# Altium PCB GN-1866-A-V2.PCBDOC (part 1 of 5) (continued)
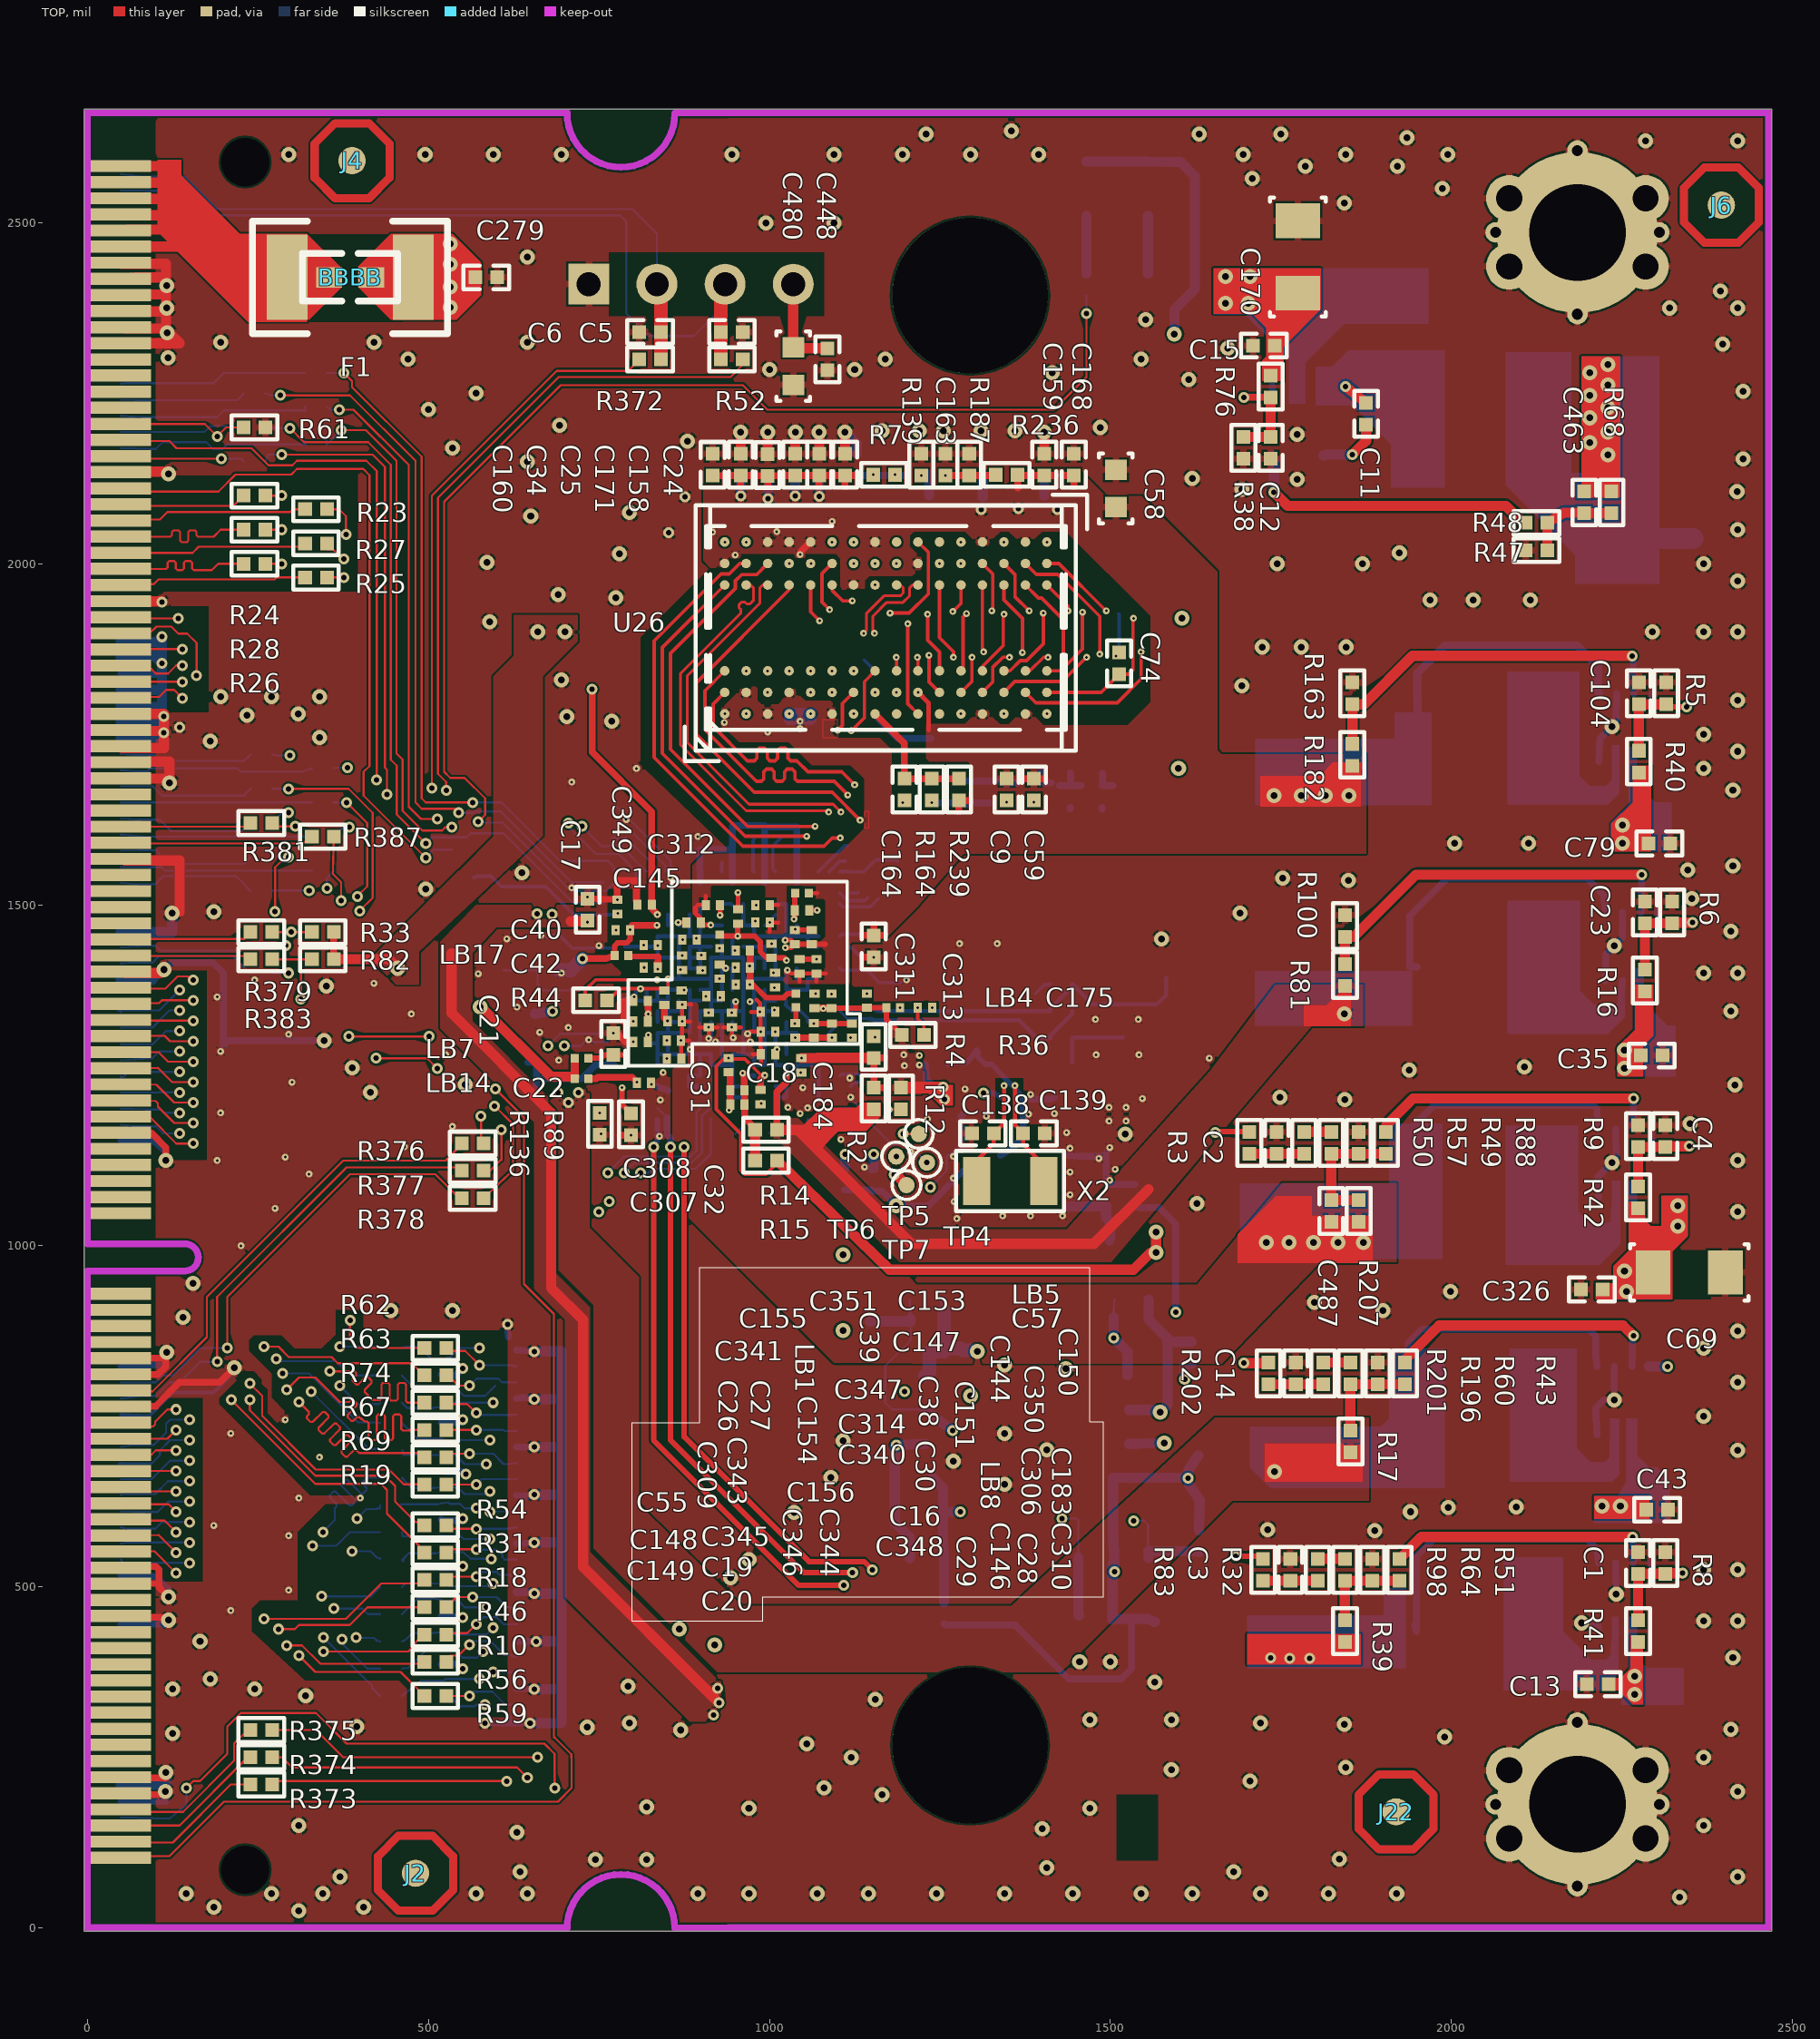
[diagram p0: TOP view]
## Components (designator, comment, footprint, x,y, rotation, side; value= is the part's Value field where it differs from the comment) (continued)
DDR_VDD "PADA" PADA 1710,1662 r180 bottom
F1 "1812" 1812 385,2420 r0 top
J1 "DDR3SODI_MBH2S6" DDR3SODI_MBH2S6 49,91 r90 bottom
J2 "ID-BOARD" ID-BOARD 481,80 r0 top
J3 "ID-BOARD" ID-BOARD 481,80 r180 bottom
J4 "ID-BOARD" ID-BOARD 388,2591 r0 top
J5 "ID-BOARD" ID-BOARD 388,2591 r180 bottom
J6 "ID-BOARD" ID-BOARD 2396,2526 r0 top
J7 "ID-BOARD" ID-BOARD 2396,2526 r180 bottom
J8 "GOSPELL_M" GOSPELL_M 906,874 r180 bottom
J15 "4PIN-254" 4PIN-254 735,2410 r0 bottom
J21 "ID-BOARD" ID-BOARD 1919,170 r180 bottom
J22 "ID-BOARD" ID-BOARD 1919,170 r0 top
L1 "MPI5040" MPI5040 2035,2210 r0 bottom
L3 "MPI5040" MPI5040 2032,753 r0 bottom
L4 "MPI5040" MPI5040 2034,1081 r180 bottom
L5 "MPI5040" MPI5040 2035,1750 r0 bottom
L6 "MPI5040" MPI5040 2034,1409 r0 bottom
L7 "MPI5040" MPI5040 2031,444 r0 bottom
LB1 "HSL0201-TB" HSL0201-TB 927,1446 r90 top
LB4 "HSL0201-TB" HSL0201-TB 1181.38,1349.03 r180 top
LB5 "HSL0201-TB" HSL0201-TB 1048,1517 r0 top
LB7 "HSL0201-TB" HSL0201-TB 724.38,1275.03 r0 top
LB8 "HSL0201-TB" HSL0201-TB 1039,1360 r90 top
LB14 "HSL0201-TB" HSL0201-TB 724.38,1245.03 r180 top
LB17 "HSL0201-TB" HSL0201-TB 782.8,1425.5 r180 top
LED1 "SD0805-LED" SD0805-LED 1465,2550 r270 bottom
LED3 "SD0805-LED" SD0805-LED 1555,2550 r270 bottom
M1 "HOLE160-8STARAN" HOLE160-8STARAN 2185,2486 r0 bottom
M2 "HOLE160-8STARAN" HOLE160-8STARAN 2185,181 r0 bottom
M5 "VIAAAA" VIAAAA 1294.21,267.3 r0 bottom
M6 "VIAAAA" VIAAAA 1294.21,2393.28 r0 bottom
MEDIA_CORE "PADA" PADA 1848,978 r180 bottom
MIPI1 "FPC803A045" FPC803A045 574,587 r90 bottom
R1 "SR0402" SR0402 1555,2410 r90 bottom
R2 "SR0402" SR0402 1153,1216 r270 top
R3 "SR0402" SR0402 1704,1151 r270 top
R4 "SR0402" SR0402 1153,1291.5 r90 top
R5 "SR0402" SR0402 2315,1810 r90 top
R6 "SR0402" SR0402 2324,1489 r90 top
R7 "SR0402" SR0402 1168,2130.5 r0 top
R8 "SR0402" SR0402 2314,535 r90 top
R9 "SR0402" SR0402 2274,1161 r90 top
R10 "SR0402" SR0402 510,430 r180 top
R11 "SR0402" SR0402 445,500 r180 bottom
R12 "SR0402" SR0402 1193,1216 r270 top
R13 "SR0402" SR0402 550,1540 r0 bottom
R14 "SR0402" SR0402 995,1170 r0 top
R15 "SR0402" SR0402 995,1125 r0 top
R16 "SR0402" SR0402 2284,1389 r270 top
R17 "SR0402" SR0402 1852,713 r90 top
R18 "SR0402" SR0402 510,510 r180 top
R19 "SR0402" SR0402 510,650 r180 top
R20 "SR0402" SR0402 1428,1304 r180 bottom
R21 "SR0402" SR0402 1619,843 r90 bottom
R22 "SR0402" SR0402 550,1580.79 r180 bottom
R23 "SR0402" SR0402 335,2080 r180 top
R24 "SR0402" SR0402 245,2100 r180 top
R25 "SR0402" SR0402 335,1980 r180 top
R26 "SR0402" SR0402 245,2000 r180 top
R27 "SR0402" SR0402 335,2030 r180 top
R28 "SR0402" SR0402 245,2050 r180 top
R29 "SR0402" SR0402 245,2150 r180 bottom
R30 "SR0402" SR0402 445,660 r180 bottom
R31 "SR0402" SR0402 510,550 r180 top
R32 "SR0402" SR0402 1804,525 r270 top
R33 "SR0402" SR0402 345,1460 r0 top
R34 "SR0402" SR0402 445,540 r180 bottom
R35 "SR0402" SR0402 445,620 r180 bottom
R36 "SR0402" SR0402 1210.5,1309 r180 top
R37 "SR0402" SR0402 1428,1344 r180 bottom
R38 "SR0402" SR0402 1695,2170 r90 top
R39 "SR0402" SR0402 1844,435 r270 top
R40 "SR0402" SR0402 2275,1710 r270 top
R41 "SR0402" SR0402 2274,435 r270 top
R42 "SR0402" SR0402 2274,1071 r270 top
R43 "SR0402" SR0402 1932,813 r90 top
R44 "SR0402" SR0402 746,1360 r0 top
R45 "SR0402" SR0402 445,460 r180 bottom
R46 "SR0402" SR0402 510,470 r180 top
R47 "SR0402" SR0402 2125,2020 r0 top
R48 "SR0402" SR0402 2125,2060 r180 top
R49 "SR0402" SR0402 1864,1151 r270 top
R50 "SR0402" SR0402 1784,1151 r90 top
R51 "SR0402" SR0402 1924,525 r270 top
R52 "SR0402" SR0402 945,2300 r0 top
R53 "SR0402" SR0402 445,580 r180 bottom
R54 "SR0402" SR0402 510,590 r180 top
R55 "SR0402" SR0402 445,380 r180 bottom
R56 "SR0402" SR0402 510,390 r180 top
R57 "SR0402" SR0402 1824,1151 r270 top
R58 "SR0402" SR0402 445,420 r180 bottom
R59 "SR0402" SR0402 510,340 r180 top
R60 "SR0402" SR0402 1892,813 r270 top
R61 "SR0402" SR0402 245,2200 r180 top
R62 "SR0402" SR0402 510,850 r180 top
R63 "SR0402" SR0402 510,810 r180 top
R64 "SR0402" SR0402 1884,525 r270 top
R65 "SR0402" SR0402 445,810 r180 bottom
R66 "SR0402" SR0402 445,740 r180 bottom
R67 "SR0402" SR0402 510,730 r180 top
R68 "SR0402" SR0402 2235,2090 r90 top
R69 "SR0402" SR0402 510,690 r180 top
R70 "SR0402" SR0402 445,700 r180 bottom
R71 "SR0402" SR0402 445,340 r180 bottom
R72 "SR0402" SR0402 445,850 r180 bottom
R73 "SR0402" SR0402 1256,462 r90 bottom
R74 "SR0402" SR0402 510,770 r180 top
R75 "SR0402" SR0402 445,770 r180 bottom
R76 "SR0402" SR0402 1735,2260 r90 top
R77 "SR0402" SR0402 1434,1218 r180 bottom
R78 "SR0402" SR0402 1356,1218 r0 bottom
R79 "SR0402" SR0402 1245,1266 r180 bottom
R80 "SR0402" SR0402 1536,1074 r270 bottom
R81 "SR0402" SR0402 1844,1397 r270 top
R82 "SR0402" SR0402 345,1420 r0 top
R83 "SR0402" SR0402 1724,525 r270 top
R84 "SR0402" SR0402 1284,1125 r270 bottom
R85 "SR0402" SR0402 1284,1209 r270 bottom
R86 "SR0402" SR0402 1494,1074 r90 bottom
R87 "SR0402" SR0402 1465,2410 r270 bottom
R88 "SR0402" SR0402 1904,1151 r90 top
R89 "SR0402" SR0402 797,1178 r90 top
R90 "SR0402" SR0402 675,1404 r180 bottom
R91 "SR0402" SR0402 594,1404 r180 bottom
R98 "SR0402" SR0402 1844,525 r270 top
R100 "SR0402" SR0402 1844,1469 r270 top
R108 "SR0402" SR0402 1165,2145.5 r90 bottom
R127 "SR0402" SR0402 1630,567 r90 bottom
R136 "SR0402" SR0402 751.38,1179.03 r90 top
R139 "SR0402" SR0402 1223,2145.5 r90 top
R140 "SR0402" SR0402 1248,1665.5 r270 bottom
R163 "SR0402" SR0402 1855,1810 r270 top
R164 "SR0402" SR0402 1238,1669 r270 top
R182 "SR0402" SR0402 1855,1720 r90 top
R183 "SR0402" SR0402 1323,1665.5 r270 bottom
R184 "SR0402" SR0402 1218,2130.5 r180 bottom
R187 "SR0402" SR0402 1293,2145.5 r90 top
R196 "SR0402" SR0402 1852,813 r270 top
R201 "SR0402" SR0402 1812,813 r90 top
R202 "SR0402" SR0402 1732,813 r270 top
R207 "SR0402" SR0402 1864,1051 r270 top
R213 "SR0402" SR0402 640,1340 r0 bottom
R216 "SR0402" SR0402 1148,905 r90 bottom
R236 "SR0402" SR0402 1348,2130.5 r180 top
R239 "SR0402" SR0402 1278,1669 r90 top
R241 "SR0603" SR0603 645,1452 r0 bottom
R243 "SR0402" SR0402 1381.38,1679.03 r180 bottom
R245 "SR0402" SR0402 1110,1098 r270 bottom
R261 "SR0402" SR0402 1209,1386 r180 bottom
R265 "SR0402" SR0402 1150,1098 r270 bottom
R372 "SR0402" SR0402 825,2300 r180 top
R373 "SR0402" SR0402 255,210 r0 top
R374 "SR0402" SR0402 255,250 r0 top
R375 "SR0402" SR0402 255,290 r0 top
R376 "SR0402" SR0402 565,1150 r180 top
R377 "SR0402" SR0402 565,1110 r180 top
R378 "SR0402" SR0402 565,1070 r180 top
R379 "SR0402" SR0402 255,1460 r0 top
R380 "SR0402" SR0402 255,1440 r0 bottom
R381 "SR0402" SR0402 255,1620 r0 top
R382 "SR0402" SR0402 345,1600 r0 bottom
R383 "SR0402" SR0402 255,1420 r0 top
R384 "SR0402" SR0402 255,1400 r0 bottom
R385 "SR0402" SR0402 255,1520 r0 bottom
R386 "SR0402" SR0402 345,1550 r0 bottom
R387 "SR0402" SR0402 345,1600 r0 top
R388 "SR0402" SR0402 255,1570 r0 bottom
R389 "SR0402" SR0402 255,1620 r0 bottom
R390 "SR0402" SR0402 345,1650 r0 bottom
R391 "SR0402" SR0402 255,1670 r0 bottom
R392 "SR0402" SR0402 345,1700 r0 bottom
R393 "SR0402" SR0402 255,1720 r0 bottom
R394 "SR0402" SR0402 335,2180 r0 bottom
R395 "SR0402" SR0402 245,2200 r0 bottom
R396 "SR0402" SR0402 335,2230 r0 bottom
R397 "SR0402" SR0402 245,2250 r0 bottom
R398 "SR0402" SR0402 335,2280 r0 bottom
TP1 "TP24-SMD" TP24-SMD 535,1495 r180 bottom
TP2 "TP24-SMD" TP24-SMD 535,1450 r180 bottom
TP3 "TP24-SMD" TP24-SMD 500,1475 r180 bottom
TP4 "TP24-SMD" TP24-SMD 1231,1122 r0 top
TP5 "TP24-SMD" TP24-SMD 1219,1164 r0 top
TP6 "TP24-SMD" TP24-SMD 1186,1131 r0 top
TP7 "TP24-SMD" TP24-SMD 1201,1089 r0 top
U1 "TSOT23-8" TSOT23-8 2254,485 r180 bottom
U2 "TSOT23-8" TSOT23-8 2252,773 r180 bottom
U3 "HBGA524-16-2424" HBGA524-16-2424 937.98,1367.49 r90 bottom
U6 "SOT23-6" SOT23-6 1775,2210 r180 bottom
U17 "TSOT23-8" TSOT23-8 2254,1121 r180 bottom
U18 "WSON8-50-0806L" WSON8-50-0806L 1378,735 r90 bottom
U19 "BGA96-32-1609G" BGA96-32-1609G 1170.68,1905.97 r0 bottom
U20 "SOP16-50-300A" SOP16-50-300A 1381,732 r0 bottom
U21 "TSOT23-8" TSOT23-8 2264,1439 r180 bottom
U22 "TSOT23-8" TSOT23-8 2255,1760 r180 bottom
U26 "BGA96-32-1609G" BGA96-32-1609G 1170.68,1905.97 r0 top
U27 "SOT143" SOT143 1389,1095 r90 bottom
X1 "HSX4-0302" HSX4-0302 1550.1,1349.1 r270 bottom
X2 "HSX2-0302" HSX2-0302 1353,1095 r0 top

## Footprints (in the part's own frame and the unit in brackets; to place one, negate y for a bottom-side part, rotate by r counter-clockwise, add the part's x,y. Pads: shape width x height; smd on the part's side, far side on the other; paste and mask are expansions set on the pad)
4PIN-254 [mil]
  rect 60x60 hole 35: 1(0,0)
  round 60 hole 35: 2(100,0) 3(200,0) 4(300,0)
  silkscreen extent -100,-100 400,100
0603 [mil]
  rect 38x30 smd: 1(-31,0) 2(31,0)
  silkscreen extent -70,-35 70,35
1210 [mil]
  rect 60x100 smd: 1(-67.5,0) 2(67.5,0)
  silkscreen extent -118,-70 118,70
1812 [mil]
  rect 60x125 smd: 1(-92.5,0) 2(92.5,0)
  silkscreen extent -143,-82 143,82
6032 [mil]
  rect 120x90 smd: 1(120,0) 2(-120,0)
  silkscreen extent -200,-65 200,65
BGA96-32-1609G [mil]
  round 14 smd: A1(-236.22,-125.98) A2(-236.22,-94.49) A3(-236.22,-62.99) A7(-236.22,62.99) A8(-236.22,94.49) A9(-236.22,125.98) B1(-204.72,-125.98) B2(-204.72,-94.49) B3(-204.72,-62.99) B7(-204.72,62.99) B8(-204.72,94.49) B9(-204.72,125.98) C1(-173.23,-125.98) C2(-173.23,-94.49) C3(-173.23,-62.99) C7(-173.23,62.99) C8(-173.23,94.49) C9(-173.23,125.98) D1(-141.73,-125.98) D2(-141.73,-94.49) D3(-141.73,-62.99) D7(-141.73,62.99) D8(-141.73,94.49) D9(-141.73,125.98) E1(-110.24,-125.98) E2(-110.24,-94.49) E3(-110.24,-62.99) E7(-110.24,62.99) E8(-110.24,94.49) E9(-110.24,125.98) F1(-78.74,-125.98) F2(-78.74,-94.49) F3(-78.74,-62.99) F7(-78.74,62.99) F8(-78.74,94.49) F9(-78.74,125.98) G1(-47.24,-125.98) G2(-47.24,-94.49) G3(-47.24,-62.99) G7(-47.24,62.99) G8(-47.24,94.49) G9(-47.24,125.98) H1(-15.75,-125.98) H2(-15.75,-94.49) H3(-15.75,-62.99) H7(-15.75,62.99) H8(-15.75,94.49) H9(-15.75,125.98) J1(15.75,-125.98) J2(15.75,-94.49) J3(15.75,-62.99) J7(15.75,62.99) J8(15.75,94.49) J9(15.75,125.98) K1(47.24,-125.98) K2(47.24,-94.49) K3(47.24,-62.99) K7(47.24,62.99) K8(47.24,94.49) K9(47.24,125.98) L1(78.74,-125.98) L2(78.74,-94.49) L3(78.74,-62.99) L7(78.74,62.99) L8(78.74,94.49) L9(78.74,125.98) M1(110.24,-125.98) M2(110.24,-94.49) M3(110.24,-62.99) M7(110.24,62.99) M8(110.24,94.49) M9(110.24,125.98) N1(141.73,-125.98) N2(141.73,-94.49) N3(141.73,-62.99) N7(141.73,62.99) N8(141.73,94.49) N9(141.73,125.98) P1(173.23,-125.98) P2(173.23,-94.49) P3(173.23,-62.99) P7(173.23,62.99) P8(173.23,94.49) P9(173.23,125.98) R1(204.72,-125.98) R2(204.72,-94.49) R3(204.72,-62.99) R7(204.72,62.99) R8(204.72,94.49) R9(204.72,125.98) T1(236.22,-125.98) T2(236.22,-94.49) T3(236.22,-62.99) T7(236.22,62.99) T8(236.22,94.49) T9(236.22,125.98)
  silkscreen extent -295,-195 295,195
DDR3SODI_MBH2S6 [mm]
  rect 0.45x2.25 smd: 1(0,0) 3(0.6,0) 5(1.2,0) 7(1.8,0) 9(2.4,0) 11(3,0) 13(3.6,0) 15(4.2,0) 17(4.8,0) 19(5.4,0) 21(6,0) 23(6.6,0) 25(7.2,0) 27(7.8,0) 29(8.4,0) 31(9,0) 33(9.6,0) 35(10.2,0) 37(10.8,0) 39(11.4,0) 41(12,0) 43(12.6,0) 45(13.2,0) 47(13.8,0) 49(14.4,0) 51(15,0) 53(15.6,0) 55(16.2,0) 57(16.8,0) 59(17.4,0) 61(18,0) 63(18.6,0) 65(19.2,0) 67(19.8,0) 69(20.4,0) 71(21,0) 73(24,0) 75(24.6,0) 77(25.2,0) 79(25.8,0) 81(26.4,0) 83(27,0) 85(27.6,0) 87(28.2,0) 89(28.8,0) 91(29.4,0) 93(30,0) 95(30.6,0) 97(31.2,0) 99(31.8,0) 101(32.4,0) 103(33,0) 105(33.6,0) 107(34.2,0) 109(34.8,0) 111(35.4,0) 113(36,0) 115(36.6,0) 117(37.2,0) 119(37.8,0) 121(38.4,0) 123(39,0) 125(39.6,0) 127(40.2,0) 129(40.8,0) 131(41.4,0) 133(42,0) 135(42.6,0) 137(43.2,0) 139(43.8,0) 141(44.4,0) 143(45,0) 145(45.6,0) 147(46.2,0) 149(46.8,0) 151(47.4,0) 153(48,0) 155(48.6,0) 157(49.2,0) 159(49.8,0) 161(50.4,0) 163(51,0) 165(51.6,0) 167(52.2,0) 169(52.8,0) 171(53.4,0) 173(54,0) 175(54.6,0) 177(55.2,0) 179(55.8,0) 181(56.4,0) 183(57,0) 185(57.6,0) 187(58.2,0) 189(58.8,0) 191(59.4,0) 193(60,0) 195(60.6,0) 197(61.2,0) 199(61.8,0) 201(62.4,0) 203(63,0)
  rect 0.45x2.25 smd far side: 2(0.3,0) 4(0.9,0) 6(1.5,0) 8(2.1,0) 10(2.7,0) 12(3.3,0) 14(3.9,0) 16(4.5,0) 18(5.1,0) 20(5.7,0) 22(6.3,0) 24(6.9,0) 26(7.5,0) 28(8.1,0) 30(8.7,0) 32(9.3,0) 34(9.9,0) 36(10.5,0) 38(11.1,0) 40(11.7,0) 42(12.3,0) 44(12.9,0) 46(13.5,0) 48(14.1,0) 50(14.7,0) 52(15.3,0) 54(15.9,0) 56(16.5,0) 58(17.1,0) 60(17.7,0) 62(18.3,0) 64(18.9,0) 66(19.5,0) 68(20.1,0) 70(20.7,0) 72(21.3,0) 74(24.3,0) 76(24.9,0) 78(25.5,0) 80(26.1,0) 82(26.7,0) 84(27.3,0) 86(27.9,0) 88(28.5,0) 90(29.1,0) 92(29.7,0) 94(30.3,0) 96(30.9,0) 98(31.5,0) 100(32.1,0) 102(32.7,0) 104(33.3,0) 106(33.9,0) 108(34.5,0) 110(35.1,0) 112(35.7,0) 114(36.3,0) 116(36.9,0) 118(37.5,0) 120(38.1,0) 122(38.7,0) 124(39.3,0) 126(39.9,0) 128(40.5,0) 130(41.1,0) 132(41.7,0) 134(42.3,0) 136(42.9,0) 138(43.5,0) 140(44.1,0) 142(44.7,0) 144(45.3,0) 146(45.9,0) 148(46.5,0) 150(47.1,0) 152(47.7,0) 154(48.3,0) 156(48.9,0) 158(49.5,0) 160(50.1,0) 162(50.7,0) 164(51.3,0) 166(51.9,0) 168(52.5,0) 170(53.1,0) 172(53.7,0) 174(54.3,0) 176(54.9,0) 178(55.5,0) 180(56.1,0) 182(56.7,0) 184(57.3,0) 186(57.9,0) 188(58.5,0) 190(59.1,0) 192(59.7,0) 194(60.3,0) 196(60.9,0) 198(61.5,0) 200(62.1,0) 202(62.7,0) 204(63.3,0)
  round 0 hole 1.8 unplated: 205(-0.15,4.628) 206(63.45,4.628)
  rect 3x7 smd: 207(-0.6,24.5) 208(63.6,24.5)
  silkscreen extent -2.31,-1.37 65.3,30.05
ESD_MINI [mil]
  silkscreen extent -148,-108 128,167
FPC803A045 [mm]
  rect 0.3x0.8 smd: 1(-6.6,1.4) 2(-6.3,-1.4) 3(-6,1.4) 4(-5.7,-1.4) 5(-5.4,1.4) 6(-5.1,-1.4) 7(-4.8,1.4) 8(-4.5,-1.4) 9(-4.2,1.4) 10(-3.9,-1.4) 11(-3.6,1.4) 12(-3.3,-1.4) 13(-3,1.4) 14(-2.7,-1.4) 15(-2.4,1.4) 16(-2.1,-1.4) 17(-1.8,1.4) 18(-1.5,-1.4) 19(-1.2,1.4) 20(-0.9,-1.4) 21(-0.6,1.4) 22(-0.3,-1.4) 23(0,1.4) 24(0.3,-1.4) 25(0.6,1.4) 26(0.9,-1.4) 27(1.2,1.4) 28(1.5,-1.4) 29(1.8,1.4) 30(2.1,-1.4) 31(2.4,1.4) 32(2.7,-1.4) 33(3,1.4) 34(3.3,-1.4) 35(3.6,1.4) 36(3.9,-1.4) 37(4.2,1.4) 38(4.5,-1.4) 39(4.8,1.4) 40(5.1,-1.4) 41(5.4,1.4) 42(5.7,-1.4) 43(6,1.4) 44(6.3,-1.4) 45(6.6,1.4)
  rect 0.4x0.95 smd: 46(-7.1,1.1) 47(7.1,1.1)
  silkscreen extent -7.5,-2.67 7.5,1.93
GOSPELL_M [mil]
  silkscreen extent -97,-103 103,90
HBGA524-16-2424 [mil]
  round 10 smd: A1(181.1,181.1) A2(181.1,165.35) A3(181.1,149.61) A4(181.1,133.86) A5(181.1,118.11) A7(181.1,86.61) A8(181.1,70.87) A10(181.1,39.37) A11(181.1,23.62) A13(181.1,-7.87) A14(181.1,-23.62) A16(181.1,-55.12) A17(181.1,-70.87) A19(181.1,-102.36) A20(181.1,-118.11) A22(181.1,-149.61) A23(181.1,-165.35) A24(181.1,-181.1) AA1(-133.86,181.1) AA2(-133.86,165.35) AA3(-133.86,149.61) AA4(-133.86,133.86) AA5(-133.86,118.11) AA6(-133.86,102.36) AA7(-133.86,86.61) AA8(-133.86,70.87) AA9(-133.86,55.12) AA10(-133.86,39.37) AA11(-133.86,23.62) AA12(-133.86,7.87) AA13(-133.86,-7.87) AA14(-133.86,-23.62) AA15(-133.86,-39.37) AA16(-133.86,-55.12) AA17(-133.86,-70.87) AA19(-133.86,-102.36) AA20(-133.86,-118.11) AA21(-133.86,-133.86) AA23(-133.86,-165.35) AA24(-133.86,-181.1) AB1(-149.61,181.1) AB2(-149.61,165.35) AB3(-149.61,149.61) AB4(-149.61,133.86) AB5(-149.61,118.11) AB6(-149.61,102.36) AB7(-149.61,86.61) AB8(-149.61,70.87) AB9(-149.61,55.12) AB10(-149.61,39.37) AB11(-149.61,23.62) AB12(-149.61,7.87) AB13(-149.61,-7.87) AB14(-149.61,-23.62) AB15(-149.61,-39.37) AB16(-149.61,-55.12) AB17(-149.61,-70.87) AB19(-149.61,-102.36) AB21(-149.61,-133.86) AB22(-149.61,-149.61) AB23(-149.61,-165.35) AB24(-149.61,-181.1) AC2(-165.35,165.35) AC3(-165.35,149.61) AC4(-165.35,133.86) AC5(-165.35,118.11) AC6(-165.35,102.36) AC7(-165.35,86.61) AC8(-165.35,70.87) AC9(-165.35,55.12) AC10(-165.35,39.37) AC11(-165.35,23.62) AC12(-165.35,7.87) AC13(-165.35,-7.87) AC14(-165.35,-23.62) AC15(-165.35,-39.37) AC16(-165.35,-55.12) AC17(-165.35,-70.87) AC18(-165.35,-86.61) AC19(-165.35,-102.36) AC20(-165.35,-118.11) AC21(-165.35,-133.86) AC22(-165.35,-149.61) AC23(-165.35,-165.35) AC24(-165.35,-181.1) AD1(-181.1,181.1) AD2(-181.1,165.35) AD3(-181.1,149.61) AD4(-181.1,133.86) AD5(-181.1,118.11) AD6(-181.1,102.36) AD7(-181.1,86.61) AD8(-181.1,70.87) AD9(-181.1,55.12) AD10(-181.1,39.37) AD11(-181.1,23.62) AD12(-181.1,7.87) AD13(-181.1,-7.87) AD14(-181.1,-23.62) AD16(-181.1,-55.12) AD17(-181.1,-70.87) AD19(-181.1,-102.36) AD20(-181.1,-118.11) AD22(-181.1,-149.61) AD23(-181.1,-165.35) AD24(-181.1,-181.1) B1(165.35,181.1) B2(165.35,165.35) B3(165.35,149.61) B4(165.35,133.86) B5(165.35,118.11) B6(165.35,102.36) B7(165.35,86.61) B8(165.35,70.87) B9(165.35,55.12) B10(165.35,39.37) B11(165.35,23.62) B12(165.35,7.87) B13(165.35,-7.87) B14(165.35,-23.62) B15(165.35,-39.37) B16(165.35,-55.12) B17(165.35,-70.87) B19(165.35,-102.36) B20(165.35,-118.11) B21(165.35,-133.86) B22(165.35,-149.61) B23(165.35,-165.35) B24(165.35,-181.1) C1(149.61,181.1) C2(149.61,165.35) C3(149.61,149.61) C5(149.61,118.11) C6(149.61,102.36) C7(149.61,86.61) C8(149.61,70.87) C9(149.61,55.12) C10(149.61,39.37) C11(149.61,23.62) C12(149.61,7.87) C13(149.61,-7.87) C14(149.61,-23.62) C15(149.61,-39.37) C16(149.61,-55.12) C17(149.61,-70.87) C18(149.61,-86.61) C19(149.61,-102.36) C20(149.61,-118.11) C21(149.61,-133.86) C22(149.61,-149.61) C23(149.61,-165.35) D2(133.86,165.35) D3(133.86,149.61) D4(133.86,133.86) D6(133.86,102.36) D7(133.86,86.61) D8(133.86,70.87) D9(133.86,55.12) D10(133.86,39.37) D11(133.86,23.62) D13(133.86,-7.87) D14(133.86,-23.62) D15(133.86,-39.37) D17(133.86,-70.87) D19(133.86,-102.36) D22(133.86,-149.61) D23(133.86,-165.35) D24(133.86,-181.1) E1(118.11,181.1) E2(118.11,165.35) E3(118.11,149.61) E4(118.11,133.86) E6(118.11,102.36) E7(118.11,86.61) E8(118.11,70.87) E9(118.11,55.12) E10(118.11,39.37) E11(118.11,23.62) E13(118.11,-7.87) E14(118.11,-23.62) E15(118.11,-39.37) E16(118.11,-55.12) E17(118.11,-70.87) E18(118.11,-86.61) E19(118.11,-102.36) E20(118.11,-118.11) E21(118.11,-133.86) E22(118.11,-149.61) E23(118.11,-165.35) F1(102.36,181.1) F2(102.36,165.35) F3(102.36,149.61) F4(102.36,133.86) F5(102.36,118.11) F6(102.36,102.36) F7(102.36,86.61) F8(102.36,70.87) F9(102.36,55.12) F10(102.36,39.37) F11(102.36,23.62) F13(102.36,-7.87) F14(102.36,-23.62) F15(102.36,-39.37) F16(102.36,-55.12) F17(102.36,-70.87) F18(102.36,-86.61) F19(102.36,-102.36) F20(102.36,-118.11) F21(102.36,-133.86) F22(102.36,-149.61) F23(102.36,-165.35) F24(102.36,-181.1) G2(86.61,165.35) G3(86.61,149.61) G4(86.61,133.86) G5(86.61,118.11) G6(86.61,102.36) G7(86.61,86.61) G8(86.61,70.87) G9(86.61,55.12) G10(86.61,39.37) G11(86.61,23.62) G12(86.61,7.87) G13(86.61,-7.87) G14(86.61,-23.62) G15(86.61,-39.37) G16(86.61,-55.12) G17(86.61,-70.87) G18(86.61,-86.61) G19(86.61,-102.36) G20(86.61,-118.11) G21(86.61,-133.86) G22(86.61,-149.61) G23(86.61,-165.35) G24(86.61,-181.1) H1(70.87,181.1) H2(70.87,165.35) H3(70.87,149.61) H4(70.87,133.86) H5(70.87,118.11) H6(70.87,102.36) H7(70.87,86.61) H8(70.87,70.87) H9(70.87,55.12) H10(70.87,39.37) H11(70.87,23.62) H12(70.87,7.87) H13(70.87,-7.87) H14(70.87,-23.62) H15(70.87,-39.37) H16(70.87,-55.12) H17(70.87,-70.87) H18(70.87,-86.61) H19(70.87,-102.36) H20(70.87,-118.11) H21(70.87,-133.86) H22(70.87,-149.61) H23(70.87,-165.35) J1(55.12,181.1) J2(55.12,165.35) J3(55.12,149.61) J4(55.12,133.86) J5(55.12,118.11) J7(55.12,86.61) J8(55.12,70.87) J9(55.12,55.12) J10(55.12,39.37) J11(55.12,23.62) J12(55.12,7.87) J13(55.12,-7.87) J14(55.12,-23.62) J15(55.12,-39.37) J16(55.12,-55.12) J17(55.12,-70.87) J18(55.12,-86.61) J19(55.12,-102.36) J20(55.12,-118.11) J21(55.12,-133.86) J22(55.12,-149.61) J23(55.12,-165.35) J24(55.12,-181.1) K2(39.37,165.35) K3(39.37,149.61) K4(39.37,133.86) K5(39.37,118.11) K6(39.37,102.36) K7(39.37,86.61) K8(39.37,70.87) K9(39.37,55.12) K10(39.37,39.37) K11(39.37,23.62) K12(39.37,7.87) K13(39.37,-7.87) K14(39.37,-23.62) K15(39.37,-39.37) K16(39.37,-55.12) K17(39.37,-70.87) K18(39.37,-86.61) K19(39.37,-102.36) K20(39.37,-118.11) K21(39.37,-133.86) K22(39.37,-149.61) K23(39.37,-165.35) K24(39.37,-181.1) L1(23.62,181.1) L2(23.62,165.35) L3(23.62,149.61) L4(23.62,133.86) L5(23.62,118.11) L6(23.62,102.36) L7(23.62,86.61) L8(23.62,70.87) L9(23.62,55.12) L10(23.62,39.37) L11(23.62,23.62) L12(23.62,7.87) L13(23.62,-7.87) L14(23.62,-23.62) L15(23.62,-39.37) L16(23.62,-55.12) L17(23.62,-70.87) L18(23.62,-86.61) L19(23.62,-102.36) L20(23.62,-118.11) L21(23.62,-133.86) L22(23.62,-149.61) L23(23.62,-165.35) M2(7.87,165.35) M3(7.87,149.61) M4(7.87,133.86) M5(7.87,118.11) M6(7.87,102.36) M7(7.87,86.61) M8(7.87,70.87) M9(7.87,55.12) M10(7.87,39.37) M11(7.87,23.62) M12(7.87,7.87) M13(7.87,-7.87) M14(7.87,-23.62) M15(7.87,-39.37) M16(7.87,-55.12) M17(7.87,-70.87) M18(7.87,-86.61) M19(7.87,-102.36) M20(7.87,-118.11) M21(7.87,-133.86) M22(7.87,-149.61) M23(7.87,-165.35) M24(7.87,-181.1) N1(-7.87,181.1) N2(-7.87,165.35) N3(-7.87,149.61) N4(-7.87,133.86) N5(-7.87,118.11) N6(-7.87,102.36) N7(-7.87,86.61) N8(-7.87,70.87) N9(-7.87,55.12) N10(-7.87,39.37) N11(-7.87,23.62) N12(-7.87,7.87) N13(-7.87,-7.87) N14(-7.87,-23.62) N15(-7.87,-39.37) N16(-7.87,-55.12) N17(-7.87,-70.87) N18(-7.87,-86.61) N19(-7.87,-102.36) N20(-7.87,-118.11) N21(-7.87,-133.86) N22(-7.87,-149.61) N23(-7.87,-165.35) N24(-7.87,-181.1) P1(-23.62,181.1) P2(-23.62,165.35) P3(-23.62,149.61) P4(-23.62,133.86) P8(-23.62,70.87) P9(-23.62,55.12) P10(-23.62,39.37) P11(-23.62,23.62) P12(-23.62,7.87) P13(-23.62,-7.87) P14(-23.62,-23.62) P15(-23.62,-39.37) P16(-23.62,-55.12) P17(-23.62,-70.87) P18(-23.62,-86.61) P19(-23.62,-102.36) P20(-23.62,-118.11) P21(-23.62,-133.86) P22(-23.62,-149.61) P23(-23.62,-165.35) R2(-39.37,165.35) R3(-39.37,149.61) R4(-39.37,133.86) R5(-39.37,118.11) R6(-39.37,102.36) R7(-39.37,86.61) R8(-39.37,70.87) R9(-39.37,55.12) R10(-39.37,39.37) R11(-39.37,23.62) R12(-39.37,7.87) R13(-39.37,-7.87) R14(-39.37,-23.62) R15(-39.37,-39.37) R16(-39.37,-55.12) R17(-39.37,-70.87) R18(-39.37,-86.61) R19(-39.37,-102.36) R20(-39.37,-118.11) R21(-39.37,-133.86) R22(-39.37,-149.61) R23(-39.37,-165.35) R24(-39.37,-181.1) T1(-55.12,181.1) T2(-55.12,165.35) T3(-55.12,149.61) T4(-55.12,133.86) T5(-55.12,118.11) T6(-55.12,102.36) T7(-55.12,86.61) T8(-55.12,70.87) T9(-55.12,55.12) T10(-55.12,39.37) T11(-55.12,23.62) T12(-55.12,7.87) T13(-55.12,-7.87) T14(-55.12,-23.62) T15(-55.12,-39.37) T16(-55.12,-55.12) T17(-55.12,-70.87) T18(-55.12,-86.61) T19(-55.12,-102.36) T20(-55.12,-118.11) T22(-55.12,-149.61) T23(-55.12,-165.35) T24(-55.12,-181.1) U2(-70.87,165.35) U3(-70.87,149.61) U4(-70.87,133.86) U5(-70.87,118.11) U6(-70.87,102.36) U7(-70.87,86.61) U8(-70.87,70.87) U9(-70.87,55.12) U10(-70.87,39.37) U11(-70.87,23.62) U12(-70.87,7.87) U13(-70.87,-7.87) U14(-70.87,-23.62) U15(-70.87,-39.37) U16(-70.87,-55.12) U17(-70.87,-70.87) U18(-70.87,-86.61) U19(-70.87,-102.36) U20(-70.87,-118.11) U21(-70.87,-133.86) U22(-70.87,-149.61) V1(-86.61,181.1) V4(-86.61,133.86) V5(-86.61,118.11) V6(-86.61,102.36) V7(-86.61,86.61) V8(-86.61,70.87) V9(-86.61,55.12) V10(-86.61,39.37) V11(-86.61,23.62) V12(-86.61,7.87) V13(-86.61,-7.87) V14(-86.61,-23.62) V15(-86.61,-39.37) V16(-86.61,-55.12) V17(-86.61,-70.87) V18(-86.61,-86.61) V19(-86.61,-102.36) V20(-86.61,-118.11) V22(-86.61,-149.61) V23(-86.61,-165.35) V24(-86.61,-181.1) W1(-102.36,181.1) W2(-102.36,165.35) W3(-102.36,149.61) W4(-102.36,133.86) W5(-102.36,118.11) W6(-102.36,102.36) W7(-102.36,86.61) W8(-102.36,70.87) W9(-102.36,55.12) W10(-102.36,39.37) W12(-102.36,7.87) W13(-102.36,-7.87) W14(-102.36,-23.62) W15(-102.36,-39.37) W16(-102.36,-55.12) W17(-102.36,-70.87) W18(-102.36,-86.61) W19(-102.36,-102.36) W20(-102.36,-118.11) W21(-102.36,-133.86) W23(-102.36,-165.35) Y2(-118.11,165.35) Y3(-118.11,149.61) Y4(-118.11,133.86) Y5(-118.11,118.11) Y6(-118.11,102.36) Y7(-118.11,86.61) Y9(-118.11,55.12) Y10(-118.11,39.37) Y11(-118.11,23.62) Y12(-118.11,7.87) Y13(-118.11,-7.87) Y14(-118.11,-23.62) Y15(-118.11,-39.37) Y16(-118.11,-55.12) Y17(-118.11,-70.87) Y18(-118.11,-86.61) Y19(-118.11,-102.36) Y21(-118.11,-133.86) Y22(-118.11,-149.61) Y23(-118.11,-165.35) Y24(-118.11,-181.1)
  silkscreen extent -199,-199 199,199
HOLE160-8STARAN [mil]
  round 30 hole 16: 1(120,0) 3(0,120) 5(-120,0) 7(0,-120)
  round 68 hole 38: 2(100,50) 4(-100,50) 6(-100,-50) 8(100,-50)
  round 236.22 hole 141.73: 9(0,0)
  silkscreen extent -148,-101 146,93
HSC0201 [mil]
  rect 12x15 smd: 1(-10.5,0) 2(10.5,0)
HSC0402 [mil]
  rect 20x20 smd: 1(16,0) 2(-16,0)
  silkscreen extent -34,-18 34,18
HSL0201-TB [mil]
  rect 12x13 smd: 1(-10,0) 2(10,0)
HSX2-0302 [mil]
  rect 40x70 smd: 1(-49.21,0) 2(49.21,0)
  silkscreen extent -79,-44 79,44
HSX4-0302 [mil]
  rect 55x48 smd: 1(-43.31,-31.5) 2(43.31,-31.5) 3(43.31,31.5) 4(-43.31,31.5)
  silkscreen extent -123,-65 81,65
ID-BOARD [mil]
  round 40 smd: 1(0,0)
  TOP lines w12: -55,-25 -55,25 -25,55 25,55 55,25 55,-25 25,-55 -25,-55 -55,-25
MPI5040 [mm]
  rect 2x5 smd: 1(-2.15,0) 2(2.15,0)
  silkscreen extent -3.26,-2.6 3.27,2.6
PADA [mil]
  round 30 smd: 1(0,0)
PB [mil]
  silkscreen extent -112,-118 124,118
RECV [mil]
  silkscreen extent -87,-120 88,114
SC0402 [mil]
  rect 20x20 smd: 1(-16,0) 2(16,0)
  silkscreen extent -34,-18 34,18
SC0603 [mil]
  rect 30x32 smd: 1(27.5,0) 2(-27.5,0)
  silkscreen extent -51,-25 51,25
SC1206 [mil]
  rect 51x65 smd: 1(-53,0) 2(53,0)
  silkscreen extent -87,-41 87,41
SD0805-LED [mil]
  rect 50x55 smd: 1(-40,0) 2(40,0)
  silkscreen extent -40,-40 90,40
SOP16-50-300A [mil]
  rect 25x78 smd: 1(175,189.47) 2(125,189.47) 3(75,189.47) 4(25,189.47) 5(-25,189.47) 6(-75,189.47) 7(-125,189.47) 8(-175,189.47) 9(-175,-189.47) 10(-125,-189.47) 11(-75,-189.47) 12(-25,-189.47) 13(25,-189.47) 14(75,-189.47) 15(125,-189.47) 16(175,-189.47)
  silkscreen extent -207,-150 252,196
SOT23-6 [mm]
  rect 0.6x1.4 smd: 1(-0.95,-1.3) 2(0,-1.3) 3(0.95,-1.3) 4(0.95,1.3) 5(0,1.3) 6(-0.95,1.3)
  silkscreen extent -2.52,-1.64 1.59,0.4
SOT143 [mil]
  rect 40x50 smd: 1(-32.5,-50)
  rect 30x50 smd: 2(37.5,-50) 3(37.5,50) 4(-37.5,50)
  silkscreen extent -75,-70 75,70
SR0402 [mil]
  rect 20x20 smd: 1(16,0) 2(-16,0)
  silkscreen extent -34,-18 34,18
SR0603 [mil]
  rect 28x32 smd: 1(29,0) 2(-29,0)
  silkscreen extent -52,-24 52,24
TP24-SMD [mil]
  round 24 smd: 1(0,0)
  silkscreen extent -21,-21 21,21
TSOT23-8 [mil]
  rect 14x50 smd: 1(-38.39,-50.28) 2(-12.8,-50.28) 3(12.8,-50.28) 4(38.39,-50.28) 5(38.39,50.12) 6(12.8,50.12) 7(-12.8,50.12) 8(-38.39,50.12)
  silkscreen extent -59,-101 59,33
VIAAAA [mm]
  round 5.8 hole 5.8: 1(0,0)
WSON8-50-0806L [mil]
  oval 25x60 smd: 1(-75.39,-149.61) 2(-25.39,-149.61) 3(24.61,-149.61) 4(74.61,-149.61) 5(74.61,149.61) 6(24.61,149.61) 7(-25.39,149.61) 8(-75.39,149.61)
  silkscreen extent -120,-194 120,159

## Via types
v1: diameter 10, hole 4, ART05 to BOTTOM, 456 vias
v2: diameter 22, hole 10, TOP to BOTTOM, 315 vias
v3: diameter 10, hole 4, TOP to ART02, 297 vias
v4: diameter 16, hole 8, TOP to BOTTOM, 255 vias
v5: diameter 14, hole 8, ART02 to ART05, 238 vias
v6: diameter 10, hole 4, ART02 to ART05, 1 vias

## Nets (pads, with @x,y where several pads share a name; then routed paths per layer and width w, separated by ;. In a path a pad name is that pad's centre, name@x,y a point inside that pad or via, vN(x,y) a via of type N, cw(c..) or ccw(c..) an arc to the next point about the centre after c; other vN are vias at no path point)
0.9V_MEDIA_EN: C4.1 R9.2 R42.2 U17.8 | length 213.6
  TOP w15: R42.2@2274,1087 R9.2@2274,1145 C4.1@2314,1145 2315,1146 v4(2349,1146)
  BOTTOM w10: U17.8@2292.39,1171.12 2294,1146 v4(2349,1146)
0.9V_VDD_EN: C1.1 R8.2 R41.2 U1.8 U2.8 | length 542.3
  TOP w15: R41.2@2274,451 C1.1@2274,519 R8.2@2314,519 2315,520 v4(2339,520)
  ART05 w15: v4(2317,823) 2339,801 v4(2339,520)
  BOTTOM w10: U1.8@2292.39,535.12 2294,540 2294,520 v4(2339,520)
  BOTTOM w15: U2.8@2290.39,823.12 v4(2317,823)
1V8: 1V8.1 C198.1 C202.1 L6.1 LB1.1 R2.1 R14.1 R44.2 R81.1 U21.5 | length 1909.3
  TOP w5: R44.2@730,1360 730,1375 745,1390 v3(835,1390)
  TOP w10: R14.1@1011,1170 1011,1226 1024.59,1239.59 v3(1024.59,1253)
  TOP w15: R14.1@1011,1170 1041,1170 ; R2.1@1153,1200 1155,1200 1135,1180 1100,1180 1090,1170 1041,1170 ; 1556,1083 1476,1003 1208,1003 1041,1170 ; v2(1843,1340) R81.1@1844,1381
  ART02 w5: v3(835,1390) v5@850,1375
  ART02 w10: v5(849,1375) v5@850,1375 ; v5(924,1421) 925,1434 v3(927,1436) ; v3(1024.59,1253) v5(1024.59,1265.13)
  ART03 w8: 1011,1278.72 1011,1307
  ART03 w10: v5(849,1375) 880,1375 v5(924,1421) 925,1436 931,1442 981,1442 992,1431 992,1410 1002,1400 1002,1316 1011,1307 ; 1011,1278.72 v5(1024.59,1265.13)
  BOTTOM w10: L6.1@1949.35,1409 1939,1409 1939,1484 1994,1539 2199,1539 2224,1514 U21.5@2225.61,1489.12
  BOTTOM w15: v2(1843,1340) C202.1@1844,1376
1V8_EN: C23.1 R6.2 R16.2 U21.8 | length 213.6
  TOP w15: R16.2@2284,1405 C23.1@2284,1473 R6.2@2324,1473 2325,1474 v4(2354,1474)
  BOTTOM w10: U21.8@2302.39,1489.12 2304,1494 2304,1474 v4(2354,1474)
1V35/1V5: C7.1 C8.1 C9.1 C24.1 C25.1 C34.1 C58.1 C59.1 C144.1 C147.1 C150.1 C151.1 C153.1 C155.1 C157.1 C158.1 C159.1 C160.1 C165.1 C166.1 C167.1 C168.1 C169.1 C171.1 C174.1 C197.1 C199.1 C229.1 C311.1 C350.1 C351.1 DDR_VDD.1 L5.1 LB5.2 R182.2 R184.2 R236.2 R239.2 R243.2 U3.E8 U3.F9 U3.F13 U3.F14 U3.H6 U3.H7 U3.K6 U3.L6 U19.A1 U19.A8 U19.B2 U19.C1 U19.C9 U19.D2 U19.D9 U19.E9 U19.F1 U19.G7 U19.H2 U19.H9 U19.K2 U19.K8 U19.N1 U19.N9 U19.R1 U19.R9 U22.5 U26.A1 U26.A8 U26.B2 U26.C1 U26.C9 U26.D2 U26.D9 U26.E9 U26.F1 U26.G7 U26.H2 U26.H9 U26.K2 U26.K8 U26.N1 U26.N9 U26.R1 U26.R9 | length 2501.2
  TOP w6: 894.56,1499.59 C351.1@906.58,1499.59 906.58,1513.11 ; 1000.58,1460.57 v3(1000.6,1474.1) 1012.6,1474.09 ; C153.1@1000.58,1499.59 1012.6,1499.59 ; v3(1026.38,1404.03) 1031.32,1399.09 C151.1@1044.08,1399.09 ; 1044.08,1387.07 C151.1@1044.08,1399.09 ; LB5.2@1058,1517 1070.02,1517 ; 1069.08,1387.07 C350.1@1069.08,1399.09 ; 1082.6,1399.09 C350.1@1069.08,1399.09 ; C151.1@1044.08,1399.09 C350.1@1069.08,1399.09
  TOP w7: 891,1495 891,1488 899.5,1479.5 C155.1@899.5,1474 903.1,1470.4 v3(913.8,1470.4) ; v3(1023.04,1448.09) 1031.08,1448.09 C144.1@1037.08,1442.09 1031.99,1437 v3(1023.5,1437) ; v3(1217.92,1811.48) 1233.5,1795.9 1233.5,1756.7
  TOP w8: C144.1@1037.08,1442.09 C150.1@1062.08,1442.09 1081.91,1442.09 1082,1442
  TOP w10: C160.1@916.58,2129.23 932.6,2129.23 ; 941.98,2129.5 C34.1@958,2129.5 ; 958,2113.48 C34.1@958,2129.5 ; 974.02,2129.5 C34.1@958,2129.5 ; 981.36,2129.03 C25.1@997.38,2129.03 ; 997.38,2113.01 C25.1@997.38,2129.03 ; 1013.4,2129.03 C25.1@997.38,2129.03 ; 1021.98,2129.5 C171.1@1038,2129.5 C158.1@1073,2129.5 ; v3(1044.95,2013.46) 1044.95,2016.46 U26.E9@1060.44,2031.95 ; 1073,2113.48 C158.1@1073,2129.5 ; 1089.02,2129.5 C158.1@1073,2129.5 ; 1094.96,2129.5 C24.1@1110.98,2129.5 ; 1110.98,2113.48 C24.1@1110.98,2129.5 ; 1127,2129.5 C24.1@1110.98,2129.5 ; 1136.98,1455 C311.1@1153,1455 ; 1153,1471.02 C311.1@1153,1455 ; 1169.02,1455 C311.1@1153,1455 ; 1278,1636.98 R239.2@1278,1653 1294.02,1653 ; 1364,2111 R236.2@1364,2130.5 1366.04,2130.41 1366.95,2129.5 C159.1@1403,2129.5 1419.02,2129.5 ; 1371.98,1685 C59.1@1388,1685 1404.02,1685 ; 1430.36,2129.5 C168.1@1446.38,2129.5 1446.38,2113.48
  ART02 w8: v5(933,1797.3) v3@933,1782.39 ; v3(934,1767.5) v3(934.46,1779.99) ; v3@933,1782.39 934.46,1780.93 v3(934.46,1779.99) ; v3@933,1782.39 v3(934.46,1779.99)
  ART02 w10: v5(906.9,1459.1) v3(913.8,1470.4) ; v5(916.5,2031.95) v3(916.5,2046.5) ; v3(950,2013) v5(952.5,2000.46) ; v5(990.98,1455.93) v3(1000.6,1474.1) ; v3(997.45,1753.5) 1011,1753.5 v5(1016.3,1758.8) ; v5(1010.89,2031.95) v3(1010.89,2047.11) ; v3(1026.38,1404.03) v5(1032.04,1392.12) ; v5(1091.94,2048) v3(1091.94,2062) ; v5(1140.6,1823.7) 1143.61,1823.7 1154.93,1812.38 v3(1154.93,1811.48) 1154.93,1803.93 v5(1146.7,1795.7) ; v5(1203.77,1797.33) v3(1217.92,1811.48)
  ART02 w12: v5(1044.95,2000.46) v3(1044.95,2013.46)
  ART03 w10: v5(1038.8,1794.1) v5(1044.98,1781.5)
  ART05 w3: v1(1123.44,1842.98) v5(1140.6,1823.7)
  ART05 w10: v5(906.9,1459.1) v1(914.36,1469.85) ; v5(916.5,2031.95) v1(934.46,2031.95) ; v5(933,1797.3) v1(934.46,1811.48) ; v5(952.5,2000.46) v1(965.96,2000.46) ; v5(990.98,1455.93) v1(993.1,1469.85) ; v1(997.45,1779.99) v5(1016.3,1758.8) ; v1(997.45,2031.95) v5(1010.89,2031.95) ; v1(1024.59,1438.36) v5(1036,1445.4) ; v1(1028.95,2000.46) v5(1044.95,2000.46) ; v5(1032.04,1392.12) v1(1040.34,1406.86) ; v1(1091.94,2031.95) v5(1091.94,2048) ; v5(1146.7,1795.7) v1(1154.93,1779.99) ; v5(1203.77,1797.33) v3(1217.92,1811.48)
  BOTTOM w5: v1(993.1,1469.85) U3.E8@1008.85,1485.6
  BOTTOM w6: v1(914.36,1469.85) U3.F13@930.11,1469.85 ; v1(1024.59,1438.36) U3.H6@1040.34,1438.36 ; U3.L6@1040.34,1391.11 v1(1040.34,1406.86)
  BOTTOM w10: v1(1154.93,1779.99) 1154.93,1777.07 1188,1744 1237,1744 ; R243.2@1397.38,1679.03 R243.2@1398.29,1679.03 ; 1398.29,1698.25 R243.2@1398.29,1679.03 ; 1413.4,1679.03 R243.2@1398.29,1679.03 ; 1425.36,1675.03 C165.1@1441.29,1675.03 ; 1441.29,1693.17 C165.1@1441.29,1675.03 ; 1457.4,1675.03 C165.1@1441.38,1675.03 C165.1@1441.29,1675.03 ; C8.1@1488,1675 C8.1@1488.27,1675 ; 1488.27,1692.53 C8.1@1488.27,1675 ; 1504.02,1675 C8.1@1488.27,1675
  BOTTOM w12: L5.1@1950.35,1750 1950.32,1759.99 1950,1840 1990,1880 2185,1880 2215,1850 2215,1815 U22.5@2216.61,1810.12
  BOTTOM w15: v4(958,2099.5) C174.1@958,2129.5 ; v4(998,2095.5) C166.1@998,2129.5 ; v4(1038,2099.5) C167.1@1038,2129.5 ; v4(1073,2099) C157.1@1073,2129.5 ; 1234,2100.5 R184.2@1234,2130.5 ; 1313,2098 C7.1@1313,2128 ; 1403,2099.5 C169.1@1403,2129.5 ; C197.1@1745,1717 C199.1@1845,1717 1955,1705 1955,1755.3 L5.1@1950.32,1759.99
  other v1: 1038.4,1769.7 1028.95,1779.99 1217.92,1811.48
  other v2: 1740,1660 1780,1660 1815,1660 1850,1660
  other v3: 1044.93,1758.36 1044.98,1769
  other v4: 1310.8,2079.3 1422.1,2079.6 1364.9,2080.9
1V35/1V5_EN: C104.1 R5.2 R40.2 U22.8 | length 212.2
  TOP w8: R5.2@2315,1794 2315,1790 v4(2345,1790)
  TOP w15: R40.2@2275,1726 C104.1@2275,1794 R5.2@2315,1794
  BOTTOM w8: U22.8@2293.39,1810.12 2295,1790 v4(2345,1790)